# Altium PCB Archimajor.PcbDoc (part 7 of 12) (continued)
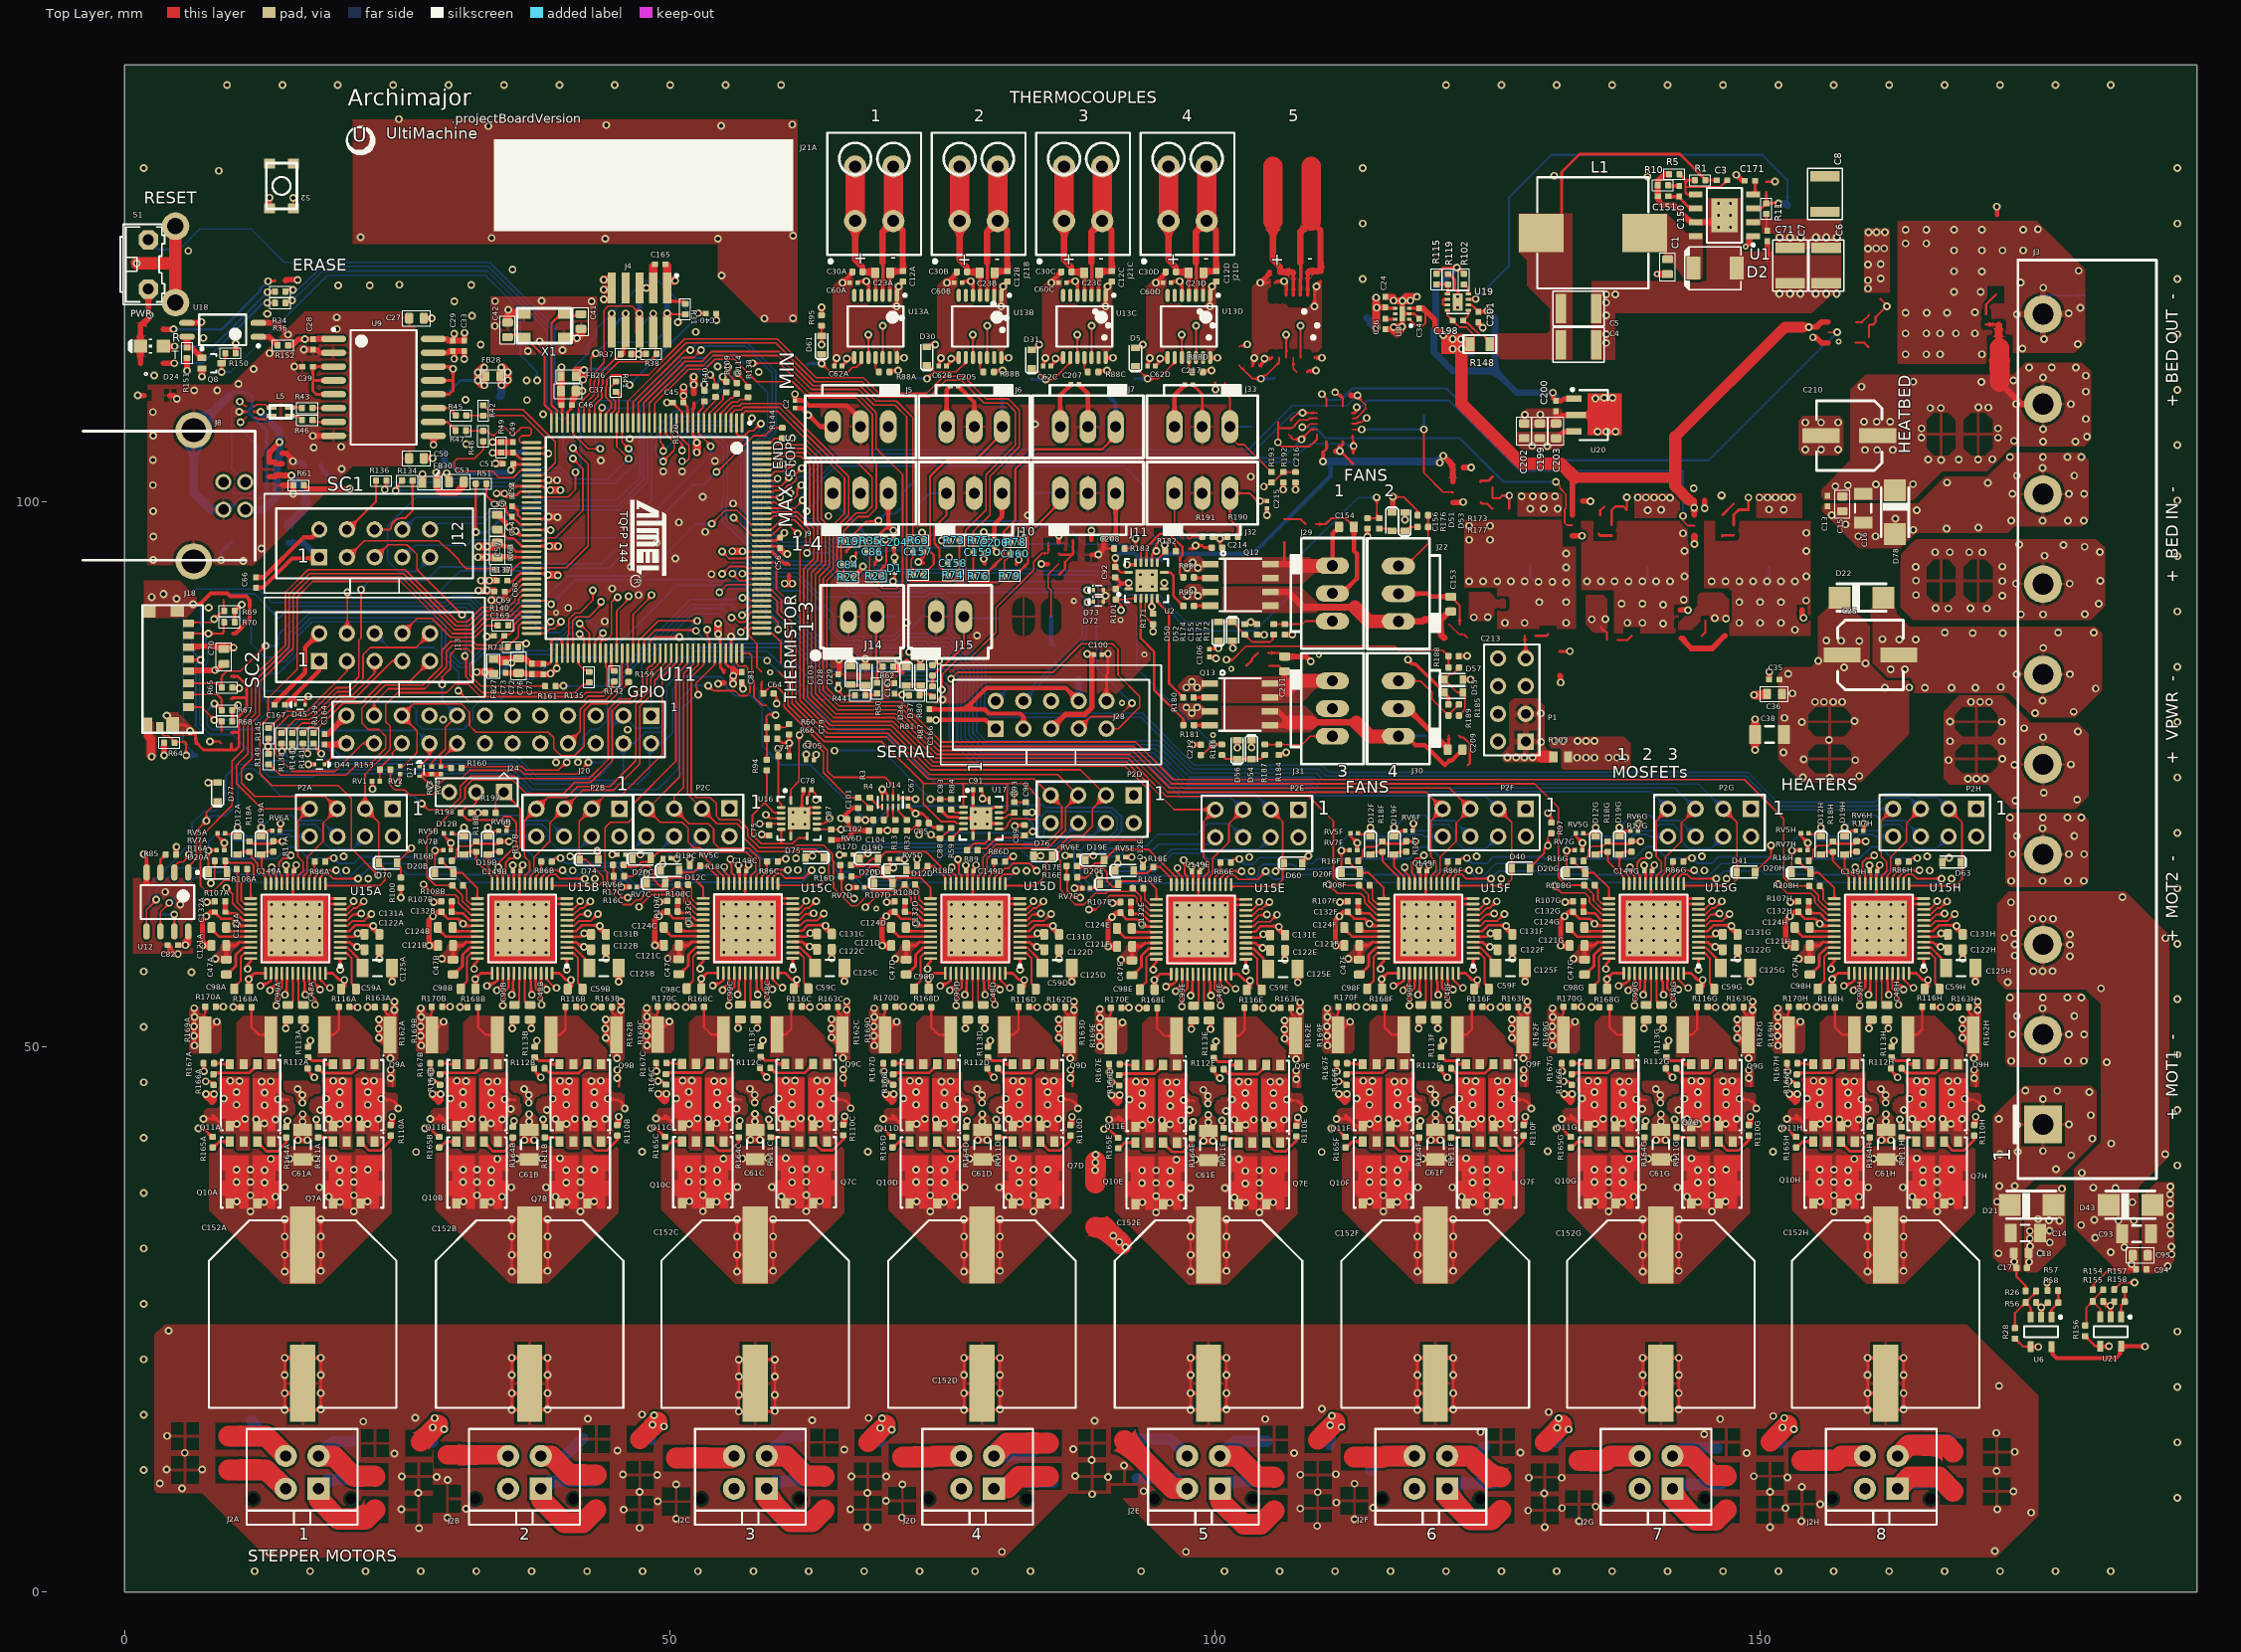
[diagram p0: Top Layer view]
## Nets (pads, with @x,y where several pads share a name; then routed paths per layer and width w, separated by ;. In a path a pad name is that pad's centre, name@x,y a point inside that pad or via, vN(x,y) a via of type N, cw(c..) or ccw(c..) an arc to the next point about the centre after c; other vN are vias at no path point) (continued)
  Top Layer w0.508: v1(125.252,60.385) v1@125.267,60.4
  Top Layer w0.61: v1@125.267,60.4 C131F.2@125.807,60.4
  Mid1 w0.305: v1(111.437,63.25) 115.187,63.25 115.637,63.7 122.112,63.7 124.887,60.925 124.887,60.75 v1(125.252,60.385) v1@125.252,60.26
  Mid1 w0.559: v1(125.252,60.385) v1@125.292,60.425
NetC131G_2: C131G.2 R107G.2 U15G.5 | length 18.7
  Top Layer w0.229: U15G.5@144.308,60.085 145.603,60.085 v1(145.903,60.385)
  Top Layer w0.305: v1(132.088,63.25) 132.755,63.25 R107G.2@132.805,63.3
  Top Layer w0.508: v1(145.903,60.385) v1@145.918,60.4
  Top Layer w0.61: v1@145.918,60.4 C131G.2@146.458,60.4
  Mid1 w0.305: v1(132.088,63.25) 135.838,63.25 136.288,63.7 142.763,63.7 145.538,60.925 145.538,60.75 v1(145.903,60.385) v1@145.903,60.26
  Mid1 w0.559: v1(145.903,60.385) v1@145.943,60.425
NetC131H_2: C131H.2 R107H.2 U15H.5 | length 18.7
  Top Layer w0.229: U15H.5@164.958,60.085 166.253,60.085 v1(166.553,60.385)
  Top Layer w0.305: v1(152.738,63.25) 153.405,63.25 R107H.2@153.455,63.3
  Top Layer w0.508: v1(166.553,60.385) v1@166.568,60.4
  Top Layer w0.61: v1@166.568,60.4 C131H.2@167.108,60.4
  Mid1 w0.305: v1(152.738,63.25) 156.488,63.25 156.938,63.7 163.413,63.7 166.188,60.925 166.188,60.75 v1(166.553,60.385) v1@166.553,60.26
  Mid1 w0.559: v1(166.553,60.385) v1@166.593,60.425
NetC132A_2: C132A.2 R107A.1 U15A.29 | length 3.6
  Top Layer w0.229: C132A.2@9.245,62.25 10.239,62.25 10.904,61.585 U15A.29@11.582,61.585
  Top Layer w0.254: C132A.2@9.242,62.328 C132A.2@9.245,62.325
  Top Layer w0.406: C132A.2@9.242,62.328 R107A.1@9.242,63.3
NetC132B_2: C132B.2 R107B.1 U15B.29 | length 3.6
  Top Layer w0.229: C132B.2@30.02,62.25 31.014,62.25 31.679,61.585 U15B.29@32.357,61.585
  Top Layer w0.254: C132B.2@30.017,62.328 C132B.2@30.02,62.325
  Top Layer w0.406: C132B.2@30.017,62.328 R107B.1@30.017,63.3
NetC132C_2: C132C.2 R107C.1 U15C.29 | length 3.6
  Top Layer w0.229: C132C.2@50.728,62.275 51.722,62.275 52.387,61.61 U15C.29@53.065,61.61
  Top Layer w0.254: C132C.2@50.725,62.352 C132C.2@50.728,62.35
  Top Layer w0.406: C132C.2@50.725,62.352 R107C.1@50.725,63.325
NetC132D_2: C132D.2 R107D.1 U15D.29 | length 3.6
  Top Layer w0.229: C132D.2@71.57,62.25 72.564,62.25 73.229,61.585 U15D.29@73.907,61.585
  Top Layer w0.254: C132D.2@71.567,62.328 C132D.2@71.57,62.325
  Top Layer w0.406: C132D.2@71.567,62.328 R107D.1@71.567,63.3
NetC132E_2: C132E.2 R107E.1 U15E.29 | length 3.6
  Top Layer w0.229: C132E.2@92.278,62.175 93.272,62.175 93.937,61.51 U15E.29@94.615,61.51
  Top Layer w0.254: C132E.2@92.275,62.252 C132E.2@92.278,62.25
  Top Layer w0.406: C132E.2@92.275,62.252 R107E.1@92.275,63.225
NetC132F_2: C132F.2 R107F.1 U15F.29 | length 3.6
  Top Layer w0.229: C132F.2@113.12,62.25 114.114,62.25 114.779,61.585 U15F.29@115.457,61.585
  Top Layer w0.254: C132F.2@113.117,62.328 C132F.2@113.12,62.325
  Top Layer w0.406: C132F.2@113.117,62.328 R107F.1@113.117,63.3
NetC132G_2: C132G.2 R107G.1 U15G.29 | length 3.6
  Top Layer w0.229: C132G.2@133.77,62.25 134.764,62.25 135.429,61.585 U15G.29@136.108,61.585
  Top Layer w0.254: C132G.2@133.768,62.328 C132G.2@133.77,62.325
  Top Layer w0.406: C132G.2@133.768,62.328 R107G.1@133.768,63.3
NetC132H_2: C132H.2 R107H.1 U15H.29 | length 3.6
  Top Layer w0.229: C132H.2@154.42,62.25 155.415,62.25 156.08,61.585 U15H.29@156.758,61.585
  Top Layer w0.254: C132H.2@154.418,62.328 C132H.2@154.42,62.325
  Top Layer w0.406: C132H.2@154.418,62.328 R107H.1@154.418,63.3
NetC150_1: C150.1 R10.2 | length 1
  Top Layer w0.254: R10.2@141.538,128.974 141.592,128.919 C150.1@142.554,128.919
NetC150_2: C150.2 C151.2 U1.6 | length 3.3
  Top Layer w0.254: C151.2@141.559,127.932 142.477,127.932 142.8,127.61 ; 142.8,127.599 142.993,127.405 ; U1.6@144.069,126.866 143.533,126.866 143.265,127.134 ; 142.993,127.405 143.004,127.405 143.265,127.145 143.265,127.134 ; 142.993,127.405 143.265,127.134
NetC169_1: C169.1 R149.2 U11.69 | length 37.5
  Top Layer w0.152: R149.2@13.259,75.909 14.272,74.896 20.328,74.896 21.265,75.832 22.418,75.832 23.952,77.366 23.952,78.466 23.335,79.084 22.352,79.084 21.768,79.668 21.768,81.039 23.901,83.173 27.381,83.173 29.108,84.9 29.108,86.348 29.933,87.173 31.968,87.173 32.304,86.837 34.02,86.837 C169.1@34.683,87.499 ; C169.1@34.798,87.796 35.303,87.796 35.761,88.254 35.761,88.733 36.415,89.388 U11.69@37.329,89.388
NetC171_2: C171.2 U1.4 | length 1.4
  Top Layer w0.254: U1.4@149.319,128.136 149.509,128.326 C171.2@149.509,129.456
NetD12A_A: D12A.A R18A.1 U15A.24 | length 4.7
  Top Layer w0.178: D12A.A@10.362,67.6 10.632,67.87 R18A.1@11.462,67.87 ; R18A.1@11.462,67.76 11.586,67.76 11.664,67.682 11.664,67.335 12.206,66.794 12.206,66.282 12.932,65.555 U15A.24@12.932,64.935
NetD12B_A: D12B.A R18B.1 U15B.24 | length 4.6
  Top Layer w0.178: D12B.A@31.137,67.6 31.407,67.87 R18B.1@32.237,67.87 ; R18B.1@32.237,67.76 32.237,67.025 33.707,65.555 U15B.24@33.707,64.935
NetD12C_A: D12C.A R18C.1 U15C.24 | length 4.9
  Top Layer w0.178: D12C.A@50.833,66.059 50.908,65.984 52.188,65.984 52.572,66.368 52.585,66.368 52.788,66.571 R18C.1@52.788,66.584 53.411,66.584 54.415,65.58 U15C.24@54.415,64.96
NetD12D_A: D12D.A R18D.1 U15D.24 | length 4.9
  Top Layer w0.178: D12D.A@71.675,66.035 71.75,65.96 73.03,65.96 73.414,66.344 73.427,66.344 73.63,66.547 R18D.1@73.63,66.56 74.253,66.56 75.257,65.555 U15D.24@75.257,64.935
NetD12E_A: D12E.A R18E.1 U15E.24 | length 4.9
  Top Layer w0.178: D12E.A@92.383,65.959 92.458,65.884 93.738,65.884 94.122,66.268 94.135,66.268 94.338,66.471 R18E.1@94.338,66.484 94.961,66.484 95.965,65.48 U15E.24@95.965,64.86
NetD12F_A: D12F.A R18F.1 U15F.24 | length 4.6
  Top Layer w0.178: D12F.A@114.237,67.6 114.507,67.87 R18F.1@115.337,67.87 ; R18F.1@115.337,67.76 115.337,67.025 116.807,65.555 U15F.24@116.807,64.935
NetD12G_A: D12G.A R18G.1 U15G.24 | length 4.6
  Top Layer w0.178: D12G.A@134.888,67.6 135.158,67.87 R18G.1@135.988,67.87 ; R18G.1@135.988,67.76 135.988,67.025 137.458,65.555 U15G.24@137.458,64.935
NetD12H_A: D12H.A R18H.1 U15H.24 | length 4.6
  Top Layer w0.178: D12H.A@155.538,67.6 155.808,67.87 R18H.1@156.638,67.87 ; R18H.1@156.638,67.76 156.638,67.025 158.108,65.555 U15H.24@158.108,64.935
NetD19A_A: D19A.A R17A.2 U15A.23 | length 4.2
  Top Layer w0.178: U15A.23@13.432,64.935 13.432,65.595 12.587,66.441 12.587,67.551 D19A.A@12.537,67.6 12.807,67.87 R17A.2@13.637,67.87
NetD19B_A: D19B.A R17B.2 U15B.23 | length 4.2
  Top Layer w0.178: U15B.23@34.207,64.935 34.207,65.595 33.312,66.49 D19B.A@33.312,67.6 33.582,67.87 R17B.2@34.412,67.87
NetD19C_A: D19C.A R17C.2 U15C.23 | length 11.4
  Top Layer w0.178: R17C.2@45.815,66.659 45.965,66.509 46.977,66.509 47.402,66.934 48.147,66.934 48.358,67.145 D19C.A@48.358,67.234 ; D19C.A@48.333,67.259 48.97,67.897 52.638,67.897 54.915,65.619 U15C.23@54.915,64.96
NetD19D_A: D19D.A R17D.2 U15D.23 | length 11.4
  Top Layer w0.178: R17D.2@66.658,66.635 66.74,66.553 67.831,66.553 68.356,67.078 68.416,67.078 68.564,67.226 69.095,67.226 69.2,67.121 D19D.A@69.2,67.21 ; D19D.A@69.175,67.235 69.812,67.872 73.48,67.872 75.757,65.595 U15D.23@75.757,64.935
NetD19E_A: D19E.A R17E.2 U15E.23 | length 11.6
  Top Layer w0.178: R17E.2@87.365,66.559 87.515,66.409 88.527,66.409 88.952,66.834 89.697,66.834 89.908,67.045 D19E.A@89.908,67.134 ; D19E.A@89.883,67.159 90.799,68.076 93.908,68.076 96.465,65.519 U15E.23@96.465,64.86
NetD19F_A: D19F.A R17F.2 U15F.23 | length 4.2
  Top Layer w0.178: U15F.23@117.307,64.935 117.307,65.595 116.412,66.49 D19F.A@116.412,67.6 116.682,67.87 R17F.2@117.512,67.87
NetD19G_A: D19G.A R17G.2 U15G.23 | length 4.2
  Top Layer w0.178: U15G.23@137.958,64.935 137.958,65.595 137.063,66.49 D19G.A@137.063,67.6 137.333,67.87 R17G.2@138.163,67.87
NetD19H_A: D19H.A R17H.2 U15H.23 | length 4.2
  Top Layer w0.178: U15H.23@158.608,64.935 158.608,65.595 157.713,66.49 D19H.A@157.713,67.6 157.983,67.87 R17H.2@158.813,67.87
NetD20A_A: D20A.A R16A.1 U15A.25 | length 7
  Top Layer w0.178: R16A.1@9.235,67.035 R16A.1@9.235,66.876 ; D20A.A@9.395,65.935 9.235,66.095 R16A.1@9.235,66.876 ; U15A.25@11.582,63.585 11.582,65.235 11.825,65.478 11.825,66.636 11.588,66.873 9.238,66.873 R16A.1@9.235,66.876
NetD20B_A: D20B.A R16B.1 U15B.25 | length 5.4
  Top Layer w0.152: R16B.1@29.05,67.035 29.05,67.029 29.272,66.807 29.298,66.807 29.846,66.259 29.946,66.259 30.17,66.035 D20B.A@30.17,65.935
  Top Layer w0.178: D20B.A@30.17,65.935 30.977,65.935 32.357,64.555 U15B.25@32.357,63.585
NetD20C_A: D20C.A R16C.1 U15C.25 | length 10.3
  Top Layer w0.178: R16C.1@46.038,65.61 46.633,65.61 47.551,66.527 48.115,66.527 48.531,66.112 ; 48.533,66.109 48.531,66.112 ; D20C.A@49.583,64.759 49.083,64.759 48.531,65.312 48.531,66.112 ; D20C.A@49.583,64.934 D20C.A@49.583,64.984 49.583,65.061 49.998,65.476 52.169,65.476 53.065,64.58 U15C.25@53.065,63.61
NetD20D_A: D20D.A R16D.1 U15D.25 | length 10.1
  Top Layer w0.178: R16D.1@66.88,65.585 67.475,65.585 68.028,66.138 68.028,66.166 68.408,66.545 69.104,66.545 69.381,66.268 69.381,65.68 69.552,65.509 69.942,65.509 70.475,64.976 70.475,65.053 70.923,65.501 72.962,65.501 73.907,64.555 U15D.25@73.907,63.585
NetD20E_A: D20E.A R16E.1 U15E.25 | length 10.2
  Top Layer w0.178: R16E.1@87.588,65.51 88.183,65.51 89.101,66.427 89.665,66.427 90.081,66.012 ; 90.083,66.009 90.081,66.012 ; D20E.A@91.133,64.659 90.633,64.659 90.081,65.212 90.081,66.012 ; D20E.A@91.183,64.609 91.183,64.871 91.471,65.159 93.936,65.159 94.615,64.48 U15E.25@94.615,63.51
NetD20F_A: D20F.A R16F.1 U15F.25 | length 5.4
  Top Layer w0.152: R16F.1@112.15,67.035 112.15,67.029 112.372,66.807 112.379,66.807 112.926,66.259 113.046,66.259 113.27,66.035 D20F.A@113.27,65.935
  Top Layer w0.178: D20F.A@113.27,65.935 114.077,65.935 115.457,64.555 U15F.25@115.457,63.585
NetD20G_A: D20G.A R16G.1 U15G.25 | length 5.3
  Top Layer w0.152: R16G.1@132.8,67.035 132.8,67.029 133.023,66.807 133.048,66.807 D20G.A@133.92,65.935
  Top Layer w0.178: D20G.A@133.92,65.935 134.728,65.935 136.108,64.555 U15G.25@136.108,63.585
NetD20H_A: D20H.A R16H.1 U15H.25 | length 5.4
  Top Layer w0.178: R16H.1@153.45,67.035 153.45,67.022 153.653,66.82 153.666,66.82 154.239,66.247 154.359,66.247 154.57,66.035 D20H.A@154.57,65.935 155.378,65.935 156.758,64.555 U15H.25@156.758,63.585
NetD24_A: D24.A R34.2 | length 12.3
  Top Layer w0.203: v1(13.119,119.187) 13.743,119.187 R34.2@13.796,119.241
  Top Layer w0.508: D24.A@3.582,114.231 3.598,114.215 v1(4.582,114.215)
  Bottom Layer w0.203: v1@4.57,114.228 4.581,114.218 8.149,114.218 v1(13.119,119.187)
NetD28_A: D28.A D29.K R44.2 R50.1 | length 3.8
  Top Layer w0.203: D28.A@66.663,83.342 66.865,83.14 D29.K@67.776,83.14 ; D29.K@67.984,83.14 D29.K@67.93,83.14 ; R50.1@69,82.391 68.834,82.226 67.93,82.226 D29.K@67.93,83.14 ; D29.K@67.776,83.14 67.93,83.294 D29.K@67.93,83.14 ; D29.K@67.776,83.14 D29.K@67.93,83.14
NetD36_A: D36.A D37.K R81.2 R87.1 | length 3.1
  Top Layer w0.203: D36.A@71.997,83.275 72.057,83.215 72.969,83.215 72.969,82.332 73.897,82.332 R87.1@74.069,82.16 ; R87.1@74.009,82.082 R87.1@74.011,82.08
NetD50_A: D50.A D52.K R174.2 R175.1 | length 6.4
  Top Layer w0.152: D50.A@100.293,88.934 D52.K@101.593,88.934 101.693,88.934 101.917,88.711 101.917,88.574 102.489,88.002 102.489,87.996 102.712,87.773 R174.2@102.718,87.773 102.724,87.773 102.946,87.551 102.946,87.545 103.382,87.109 105.043,87.109 105.294,87.361 105.294,87.706 R175.1@105.368,87.779
NetD50_K: D50.K
NetD51_A: D51.A D53.K R176.2 R177.1 | length 3.8
  Top Layer w0.152: R176.2@115.043,97.502 116,97.502 D51.A@116.218,97.284 D53.K@117.393,97.284 117.493,97.284 117.717,97.508 117.717,97.57 117.806,97.659 R177.1@118.563,97.659
NetD51_K: D51.K
NetD53_A: D53.A | length 0.7
  Top Layer w0.254: v1(117.393,98.309) D53.A@117.393,98.984
NetD54_A: D54.A D56.K R186.2 R187.1 | length 4.2
  Top Layer w0.152: R186.2@100.62,76.74 100.627,76.74 100.849,76.518 100.849,76.511 100.976,76.384 D56.K@102.028,76.384 D54.A@103.331,76.384 104.195,76.384 104.347,76.536 104.347,76.542 104.547,76.742 R187.1@104.553,76.742
NetD54_K: D54.K | length 0.6
  Top Layer w0.305: v1(103.331,77.447) D54.K@103.331,78.084
NetD55_A: D55.A D57.K R188.2 R189.1 | length 6.6
  Top Layer w0.152: R189.1@122.352,80.359 122.352,80.366 122.574,80.588 122.58,80.588 122.91,80.918 122.91,82.292 D55.A@122.718,82.484 122.193,82.484 121.342,83.336 121.242,83.336 121.018,83.559 D57.K@121.018,83.659 121.018,83.759 121.242,83.983 121.342,83.983 121.534,84.175 121.795,84.175 122.354,84.734 R188.2@122.354,84.759
NetD55_K: D55.K
NetD?_A: R36.2 | length 12.5
  Top Layer w0.203: 3.582,112.682 3.594,112.67 ; v1(13.106,118.212) 13.782,118.212 R36.2@13.796,118.198
  Top Layer w0.508: 3.594,112.67 v1(4.572,112.67)
  Bottom Layer w0.203: v1(4.572,112.67) 7.176,112.67 12.718,118.212 v1(13.106,118.212)
NetJ4_7: J4.7
NetJ5_1: J5.1 R19.2 TP25.1 | length 19.9
  Top Layer w0.203: 66.168,95.309 66.168,95.434 66.799,96.065 66.799,96.233 R19.2@66.9,96.334 66.893,96.342 66.893,97.029 67.998,98.134 68.33,98.134 68.331,98.135 68.36,98.135 68.393,98.168 69.073,98.168 v3(69.141,98.236)
  Mid1 w0.203: v3(69.141,98.236) 69.141,98.248 68.781,98.609 68.781,103.222 70.028,104.469 J5.1@70.028,106.846
  Bottom Layer w0.203: v3(69.141,98.236) 69.141,98.443 69.245,98.339 69.766,98.86 70.675,98.86 71.325,99.51 71.325,100.789 TP25.1@72.517,101.981 ; J5.1@70.025,106.849 J5.1@70.028,106.846
NetJ6_1: J6.1 R72.2 | length 21.2
  Top Layer w0.203: R72.2@73.248,93.286 74.193,94.231 74.193,94.334 74.193,95.084 73.865,95.413 73.865,102.289 75.38,103.804 78.055,103.804 80.454,106.204 J6.1@80.454,106.846
  Bottom Layer w0.381: J6.1@80.454,106.846 80.475,106.866 80.475,109.701
NetJ7_1: J7.1 R76.2 TP130.1 | length 25.3
  Top Layer w0.203: R76.2@78.822,93.192 79.766,94.136 80.632,95.002 80.632,97.231 81.682,98.281 ; 81.694,98.294 81.682,98.281 ; J7.1@90.881,106.846 90.881,106.016 89.639,104.774 83.5,104.774 81.682,102.956 81.682,98.281
  Bottom Layer w0.381: TP130.1@90.297,109.601 90.875,109.023 90.875,106.852 J7.1@90.881,106.846
NetJ8_1: J8.1 | length 16.2
  Top Layer w0.254: 11.843,108.213 12.421,108.213 12.421,108.187 v1@12.497,108.187
  Top Layer w0.508: v1(14.225,105.431) 13.296,104.502 13.296,103.584 13.812,103.584 13.812,103.524 13.895,103.441 14.468,103.441
  Top Layer w0.635: J8.1@11.074,99.251 J8.1@11.108,99.218
  Bottom Layer w0.737: J8.1@11.074,99.251 12.725,99.251 13.974,100.5 13.974,103.315 14.075,103.416 14.075,104.036 14.224,104.185 14.224,106.439 13.058,107.605 ; v1(12.497,108.213) 12.497,108.111 13.03,107.578
NetJ8_3: J8.3 L5.2 TP6.1 | length 13
  Top Layer w0.152: v1(10.643,107.273) 10.744,107.374 10.83,107.374 11.169,107.713 ; 11.857,107.699 12.059,107.699 ; 12.054,107.694 12.059,107.699 ; L5.2@13.476,107.813 13.164,107.813 12.89,107.539 12.218,107.539 12.059,107.699
  Bottom Layer w0.152: J8.3@9.068,101.771 10.115,100.724 11.608,100.724 12.243,101.359 12.243,105.042 TP6.1@11.405,105.881 10.643,106.643 v1(10.643,107.273)
NetJ9_1: J9.1 R23.2 TP67.1 | length 10.6
  Top Layer w0.203: R23.2@69.524,93.213 69.4,93.337 69.4,93.822 69.852,94.273 69.852,96.263 69.741,96.373 v3(69.741,96.511)
  Bottom Layer w0.203: J9.1@64.948,100.75 64.948,99.988 68.425,96.511 v3(69.741,96.511)
NetJ10_1: J10.1 R74.2 | length 11.9
  Top Layer w0.203: J10.1@75.374,100.75 75.374,98.751 74.271,97.648 74.271,96.134 74.718,95.687 74.718,95.359 74.718,94.038 R74.2@75.499,93.256
  Bottom Layer w0.203: 72.517,99.441 73.826,100.75 J10.1@75.374,100.75
NetJ11_1: J11.1 R79.2 TP131.1 | length 11.8
  Top Layer w0.203: R79.2@81.646,93.167 82.603,94.124 82.832,94.353 82.832,96.675 82.839,96.683 82.839,96.989 85.801,99.95 J11.1@85.801,100.75
  Bottom Layer w0.203: TP131.1@83.325,100.785 85.766,100.785 J11.1@85.8,100.751
  Bottom Layer w0.381: J11.1@85.8,100.751 J11.1@85.801,100.75
NetJ12_3: J12.3 R137.1 | length 15.4
  Top Layer w0.152: J12.3@20.396,94.781 21.997,96.381 28.803,96.381 29.438,95.746 29.554,95.746 30.709,94.591 30.709,94.476 31.344,93.841 R137.1@34.039,93.841
NetJ12_4: J12.4 R136.2 | length 5.7
  Top Layer w0.203: J12.4@20.396,97.321 23.063,99.988 R136.2@23.063,101.893
NetJ12_5: J12.5 R135.1 | length 30.2
  Top Layer w0.152: J12.5@22.936,94.781 24.181,96.026 25.92,96.026 26.81,95.135 26.81,93.752 v1(30.963,89.599) ; v1@31.311,85.766 31.311,83.927 32.014,83.224 32.788,82.45 41.28,82.45 42.054,83.224 ; 42.122,83.224 42.054,83.224 ; R135.1@42.622,83.406 42.44,83.224 42.054,83.224
  Bottom Layer w0.152: v1(30.963,89.599) 31.312,89.25 31.311,89.248 v1@31.311,85.766
  other v1: 31.209,85.817
NetJ12_6: J12.6 R134.2 | length 7
  Top Layer w0.203: J12.6@22.936,97.421 24.235,97.421 24.302,97.421 24.356,97.461 ccw(c24.235,97.624) 24.408,97.518 24.421,97.54 24.429,97.564 ccw(c24.235,97.624) 24.435,97.591 cw(c25.476,97.421) 25.639,98.463 25.654,98.463 25.738,98.463 26.416,99.141 R134.2@26.416,101.893
NetJ12_7: J12.7 R133.1 | length 42.6
  Top Layer w0.152: v1@56.21,111.681 56.718,111.173 56.718,111.129 56.998,110.85 57.175,110.672 R133.1@57.175,110.513
  Bottom Layer w0.152: J12.7@25.476,94.781 26.657,95.961 31.369,95.961 31.89,96.483 38.139,96.483 38.303,96.647 44.907,96.647 48.336,100.076 48.336,105.571 50.538,107.772 52.222,107.772 v1@56.21,111.76
  other v1: 56.21,111.786
NetJ12_8: J12.8 R120.2 | length 39.9
  Top Layer w0.152: v1(53.696,111.608) 53.696,111.697 53.638,111.64 54.102,111.176 54.102,110.478 R120.2@54.153,110.427
  Bottom Layer w0.152: J12.8@25.476,97.321 26.682,98.527 32.893,98.527 33.442,99.076 35.517,99.076 36.022,99.581 45.217,99.581 47.625,101.989 47.625,108.484 51.214,112.072 52.449,112.072 52.914,111.608 v1(53.696,111.608)
NetJ12_9: J12.9 R114.1 | length 52.8
  Top Layer w0.152: v1(55.347,112.319) 55.474,112.192 55.474,111.573 55.541,111.506 55.549,111.506 ; 55.558,111.523 55.778,111.302 55.778,111.269 56.142,110.905 56.109,110.871 56.21,110.77 56.152,110.711 R114.1@56.032,110.831
  Bottom Layer w0.152: J12.9@28.016,94.781 26.809,93.574 25.121,93.574 24.13,94.564 24.13,97.739 26.785,100.394 32.373,100.394 33.338,101.359 36.41,101.359 37.643,100.127 45.161,100.127 47.269,102.235 47.269,108.631 51.073,112.434 53.548,112.434 54.118,113.005 54.138,113.005 54.143,113.009 54.656,113.009 v1(55.347,112.319)
NetJ12_10: J12.10 R109.2 | length 35.8
  Top Layer w0.457: v1(54.839,111.43) 54.839,111.227 R109.2@55.194,110.871
  Bottom Layer w0.152: J12.10@28.016,97.321 28.689,97.993 32.887,97.993 33.614,98.721 35.664,98.721 36.17,99.226 45.364,99.226 47.981,101.842 47.981,105.85 50.411,108.28 51.74,108.28 54.839,111.379 v1(54.839,111.43)
NetJ13_3: J13.3 R145.1 | length 10.2
  Top Layer w0.152: R145.1@13.259,79.185 14.82,80.747 16.723,80.747 19.238,83.261 19.24,83.261 20.396,84.418 J13.3@20.396,85.357
NetJ13_4: J13.4 R144.2 | length 50.4
  Top Layer w0.152: J13.4@20.396,87.897 20.447,87.948 v1(20.447,91.657) ; v1(54.266,102.709) 54.36,102.709 57.683,106.033 58.709,106.033 59.418,106.742 R144.2@60.318,106.742
  Bottom Layer w0.152: v1(20.447,91.657) 21.006,91.098 28.258,91.098 30.785,93.625 37.541,93.625 37.812,93.895 39.973,93.895 40.002,93.866 44.431,93.866 52.109,101.544 53.101,101.544 v1(54.266,102.709)
NetJ13_5: J13.5 R143.1 | length 10.9
  Top Layer w0.152: R143.1@15.384,78.751 16.301,79.668 17.158,79.668 19.685,82.195 20.871,82.195 22.936,84.26 J13.5@22.936,85.357
NetJ13_6: J13.6 R142.2 | length 26.5
  Top Layer w0.152: v1@30.607,82.665 31.587,81.685 42.04,81.685 42.491,82.136 43.947,82.136 44.704,82.893 R142.2@44.704,83.478
  Bottom Layer w0.152: J13.6@22.936,87.897 24.232,86.602 28.346,86.602 30.662,84.286 30.662,82.72 v1@30.607,82.665
  other v1: 30.607,82.64
NetJ13_7: J13.7 R141.1 | length 11.8
  Top Layer w0.152: R141.1@16.366,78.751 16.927,79.312 17.311,79.312 19.837,81.839 21.018,81.839 24.536,85.357 J13.7@25.476,85.357
NetJ13_8: J13.8 R140.2 | length 10.5
  Top Layer w0.152: J13.8@25.476,87.897 26.848,89.269 28.194,89.269 29.934,87.529 32.119,87.529 33.199,88.609 R140.2@34.239,88.609
NetJ13_9: J13.9 R139.1 | length 13.6
  Top Layer w0.152: R139.1@17.498,78.751 R139.1@17.348,78.751 17.348,78.812 20.019,81.483 21.678,81.483 23.724,83.529 26.187,83.529 J13.9@28.016,85.357
NetJ13_10: J13.10 R138.2 | length 18.7
  Top Layer w0.152: R138.2@14.402,78.753 15.672,80.023 17.006,80.023 19.533,82.55 20.637,82.55 21.869,83.783 21.869,85.942 22.53,86.602 26.721,86.602 J13.10@28.016,87.897
NetJ14_2: J14.2 R50.2 R62.1 TP106.1 | length 8
  Top Layer w0.203: J14.2@68.91,89.071 68.91,85.462 69.498,84.874 69,84.375 R50.2@69,83.354
  Bottom Layer w0.203: J14.2@68.91,89.421 TP106.1@70.768,89.421
NetJ15_2: J15.2 R80.1 R87.2 TP107.1 | length 10.9
  Top Layer w0.203: R87.2@74.011,83.042 74.087,83.119 74.087,83.862 R80.1@74.232,84.006 ; R80.1@74.082,84.026 74.232,84.026 74.232,84.127 74.829,84.724 74.941,84.724 76.962,86.745 J15.2@76.962,89.421
  Bottom Layer w0.203: J15.2@77.076,89.281 TP107.1@80.137,89.281
NetJ20_5: J20.5
NetJ20_6: J20.6
NetJ20_7: J20.7
NetJ20_9: J20.9
NetJ20_10: J20.10
NetJ20_11: J20.11
NetJ20_12: J20.12
NetJ20_13: J20.13
NetJ20_14: J20.14
NetJ20_15: J20.15 R161.1 RV3.1 | length 24
  Top Layer w0.152: RV3.1@28.172,75.686 28.176,75.69 28.176,76.036 29.427,77.287 29.427,79.275 J20.15@30.505,80.354 ; v3(29.134,83.198) 29.134,83.92 29.865,84.651 29.865,85.955 30.373,86.462 31.477,86.462 31.927,86.012 31.927,85.341 31.666,85.081 31.666,84.074 32.68,83.061 R161.1@38.567,83.061
  Bottom Layer w0.152: v3(29.134,83.198) 29.134,81.77 J20.15@30.539,80.365 ; J20.15@30.53,80.355 J20.15@30.539,80.365 ; J20.15@30.555,80.348 J20.15@30.539,80.365
NetJ20_16: J20.16 R160.2 RV4.1 | length 3.8
  Top Layer w0.152: R160.2@29.942,75.567 29.936,75.567 29.816,75.686 RV4.1@28.997,75.686 28.997,76.305 J20.16@30.505,77.814 ; R160.2@30.142,75.36 R160.2@30.142,75.366
NetJ20_17: J20.17
NetJ20_19: J20.19 R159.1 RV2.1 | length 35.2
  Top Layer w0.152: RV2.1@25.272,75.711 25.572,75.711 26.81,76.95 26.81,78.969 J20.19@25.425,80.354 26.488,81.416 30.908,81.416 31.641,80.683 31.641,79.451 32.25,78.843 38.848,78.843 39.373,78.317 39.373,77.351 40.029,76.695 41.293,76.695 42.147,77.549 42.147,80.786 42.777,81.416 44.268,81.416 46.222,83.37 R159.1@46.222,83.431
NetJ20_20: J20.20 R153.2 RV1.1 | length 4.9
  Top Layer w0.152: RV1.1@23.397,74.386 23.414,74.404 R153.2@23.414,75.411 23.414,75.532 24.572,76.689 24.572,76.96 J20.20@25.174,77.562 ; J20.20@25.07,77.814 25.07,77.666 J20.20@25.174,77.562 ; J20.20@25.425,77.458 25.279,77.458 J20.20@25.174,77.562 ; J20.20@25.425,77.814 J20.20@25.174,77.562
NetJ22_3: J22.3 R173.1 R177.2 | length 6.2
  Top Layer w0.152: J22.3@116.8,94.075 117.483,94.075 119.525,96.117 R177.2@119.525,97.659 119.525,98.732 R173.1@119.523,98.734
NetJ29_3: J29.3 R172.1 R175.2 | length 5.5
  Top Layer w0.152: R175.2@105.368,88.742 106.39,88.742 R172.1@106.393,88.739 107.998,88.739 108.278,89.02 J29.3@110.75,89.02
NetJ30_3: J30.3 R185.1 R189.2 | length 7.7
  Top Layer w0.152: J30.3@116.8,83.54 118.837,83.54 119.893,82.484 119.893,81.856 121.16,80.588 121.167,80.588 121.389,80.366 R189.2@121.389,80.359 121.57,80.541 121.57,80.603 122.123,81.156 122.129,81.156 122.352,81.378 R185.1@122.352,81.384
NetJ31_3: J31.3 R184.1 R187.2 | length 6.5
  Top Layer w0.152: R187.2@104.553,77.705 104.556,77.703 R184.1@105.831,77.703 107.961,77.703 108.718,78.46 J31.3@110.75,78.46
NetJ32_1: J32.1 R191.2 | length 9.3
  Top Layer w0.152: J32.1@96.275,100.75 96.275,97.927 97.519,96.683 97.519,96.633 97.593,96.559 97.643,96.559 97.693,96.559 97.767,96.633 97.767,96.667 97.856,96.756 R191.2@98.823,96.756
  Bottom Layer w0.152: 96.225,97.535 96.275,97.585 J32.1@96.275,100.75
NetJ33_1: J33.1 R193.2 | length 12.2
  Top Layer w0.152: J33.1@101.355,106.846 101.355,105.972 102.118,105.209 102.65,105.209 104.939,102.921 104.939,102.914 105.162,102.692 R193.2@105.168,102.692
  Top Layer w0.166: 100.91,110.889 100.91,109.905 101.355,109.46 J33.1@101.355,106.846
  Bottom Layer w0.152: J33.1@101.523,106.978 J33.1@101.655,106.846
  Bottom Layer w0.203: J33.1@101.655,106.846 103.368,106.846
NetJ?_1: 
NetL5_1: L5.1 R46.2 | length 1.3
  Top Layer w0.152: L5.1@15.176,107.813 15.924,107.813 R46.2@16.281,107.455
NetL5_4: L5.4 R43.2 | length 1.2
  Top Layer w0.152: L5.4@15.176,108.613 16.173,108.613 R43.2@16.281,108.721
NetQ7A_2: Q7A.2 R110A.2 | length 3.9
  Top Layer w0.254: Q7A.2@21.654,41.295 21.654,41.248 22.426,40.476 23.444,40.476 24.409,41.441 R110A.2@24.409,41.847
NetQ7A_3: Q7A.3
NetQ7A_4: Q7A.4 R111A.1 | length 1.6
  Top Layer w0.254: R111A.1@17.653,41.672 18.737,41.672 Q7A.4@19.114,41.295
NetQ7B_2: Q7B.2 R110B.2 | length 3.9
  Top Layer w0.254: Q7B.2@42.429,41.295 42.429,41.248 43.201,40.476 44.219,40.476 45.184,41.441 R110B.2@45.184,41.847
NetQ7B_3: Q7B.3
NetQ7B_4: Q7B.4 R111B.1 | length 1.6
  Top Layer w0.254: R111B.1@38.428,41.672 39.512,41.672 Q7B.4@39.889,41.295
NetQ7C_2: Q7C.2 R110C.2 | length 3.9
  Top Layer w0.254: Q7C.2@63.136,41.32 63.136,41.273 63.909,40.5 64.927,40.5 65.892,41.465 R110C.2@65.892,41.872
NetQ7C_3: Q7C.3
NetQ7C_4: Q7C.4 R111C.1 | length 1.6
  Top Layer w0.254: R111C.1@59.136,41.696 60.22,41.696 Q7C.4@60.596,41.32
NetQ7D_2: Q7D.2 R110D.2 | length 3.9
  Top Layer w0.254: Q7D.2@83.979,41.295 83.979,41.248 84.751,40.476 85.769,40.476 86.734,41.441 R110D.2@86.734,41.847
NetQ7D_3: Q7D.3
NetQ7D_4: Q7D.4 R111D.1 | length 1.6
  Top Layer w0.254: R111D.1@79.978,41.672 81.062,41.672 Q7D.4@81.439,41.295
NetQ7E_2: Q7E.2 R110E.2 | length 3.9
  Top Layer w0.254: Q7E.2@104.686,41.22 104.686,41.173 105.459,40.4 106.477,40.4 107.442,41.365 R110E.2@107.442,41.772
NetQ7E_3: Q7E.3
NetQ7E_4: Q7E.4 R111E.1 | length 1.6
  Top Layer w0.254: R111E.1@100.686,41.596 101.77,41.596 Q7E.4@102.146,41.22
NetQ7F_2: Q7F.2 R110F.2 | length 3.9
  Top Layer w0.254: Q7F.2@125.529,41.295 125.529,41.248 126.301,40.476 127.319,40.476 128.284,41.441 R110F.2@128.284,41.847
NetQ7F_3: Q7F.3
NetQ7F_4: Q7F.4 R111F.1 | length 1.6
  Top Layer w0.254: R111F.1@121.528,41.672 122.612,41.672 Q7F.4@122.989,41.295
NetQ7G_2: Q7G.2 R110G.2 | length 3.9
  Top Layer w0.254: Q7G.2@146.179,41.295 146.179,41.248 146.952,40.476 147.969,40.476 148.935,41.441 R110G.2@148.935,41.847
NetQ7G_3: Q7G.3
NetQ7G_4: Q7G.4 R111G.1 | length 1.6
  Top Layer w0.254: R111G.1@142.178,41.672 143.262,41.672 Q7G.4@143.639,41.295
NetQ7H_2: Q7H.2 R110H.2 | length 3.9
  Top Layer w0.254: Q7H.2@166.829,41.295 166.829,41.248 167.602,40.476 168.62,40.476 169.585,41.441 R110H.2@169.585,41.847
NetQ7H_3: Q7H.3
NetQ7H_4: Q7H.4 R111H.1 | length 1.6
  Top Layer w0.254: R111H.1@162.828,41.672 163.912,41.672 Q7H.4@164.289,41.295
NetQ8_1: Q8.1 R151.1 U18.4 | length 2.7
  Top Layer w0.508: U18.4@5.729,115.091 5.732,115.088 R151.1@5.732,114.102 6.164,114.102 Q8.1@7.102,113.164
NetQ9A_1: Q9A.1 Q9A.3 R116A.2 R162A.2 | length 3.6
  Top Layer w0.203: R162A.2@18.336,51.075 19.16,51.075 19.66,51.575 R116A.2@19.66,53.658
NetQ9A_2: Q9A.2 R112A.2 | length 4.5
  Top Layer w0.254: R112A.2@17.755,48.019 18.212,47.562 20.867,47.562 21.654,48.348 Q9A.2@21.654,48.395
NetQ9A_4: Q9A.4 R113A.1 | length 2.6
  Top Layer w0.254: R113A.1@16.739,48.911 17.043,48.911 17.249,48.705 18.161,48.705 18.471,48.395 Q9A.4@19.114,48.395
NetQ9B_1: Q9B.1 Q9B.3 R116B.2 R162B.2 | length 3.6
  Top Layer w0.203: R162B.2@39.111,51.075 39.935,51.075 40.435,51.575 R116B.2@40.435,53.658
NetQ9B_2: Q9B.2 R112B.2 | length 4.5
  Top Layer w0.254: R112B.2@38.53,48.019 38.987,47.562 41.642,47.562 42.429,48.348 Q9B.2@42.429,48.395
NetQ9B_4: Q9B.4 R113B.1 | length 2.6
  Top Layer w0.254: R113B.1@37.514,48.911 37.818,48.911 38.024,48.705 38.936,48.705 39.246,48.395 Q9B.4@39.889,48.395
NetQ9C_1: Q9C.1 Q9C.3 R116C.2 R162C.2 | length 3.6
  Top Layer w0.203: R162C.2@59.819,51.1 60.642,51.1 61.142,51.6 R116C.2@61.142,53.683
NetQ9C_2: Q9C.2 R112C.2 | length 4.5
  Top Layer w0.254: R112C.2@59.237,48.044 59.695,47.587 62.35,47.587 63.136,48.373 Q9C.2@63.136,48.42
NetQ9C_4: Q9C.4 R113C.1 | length 2.6
  Top Layer w0.254: R113C.1@58.221,48.935 58.526,48.935 58.732,48.73 59.644,48.73 59.954,48.42 Q9C.4@60.596,48.42
NetQ9D_1: Q9D.1 Q9D.3 R116D.2 R162D.2 | length 3.6
  Top Layer w0.203: R162D.2@80.661,51.075 81.485,51.075 81.985,51.575 R116D.2@81.985,53.658
NetQ9D_2: Q9D.2 R112D.2 | length 4.5
  Top Layer w0.254: R112D.2@80.08,48.019 80.537,47.562 83.192,47.562 83.979,48.348 Q9D.2@83.979,48.395
NetQ9D_4: Q9D.4 R113D.1 | length 2.6
  Top Layer w0.254: R113D.1@79.064,48.911 79.368,48.911 79.574,48.705 80.486,48.705 80.796,48.395 Q9D.4@81.439,48.395